# Altium PCB unextended_ISO.PcbDoc (part 1 of 2) (continued)
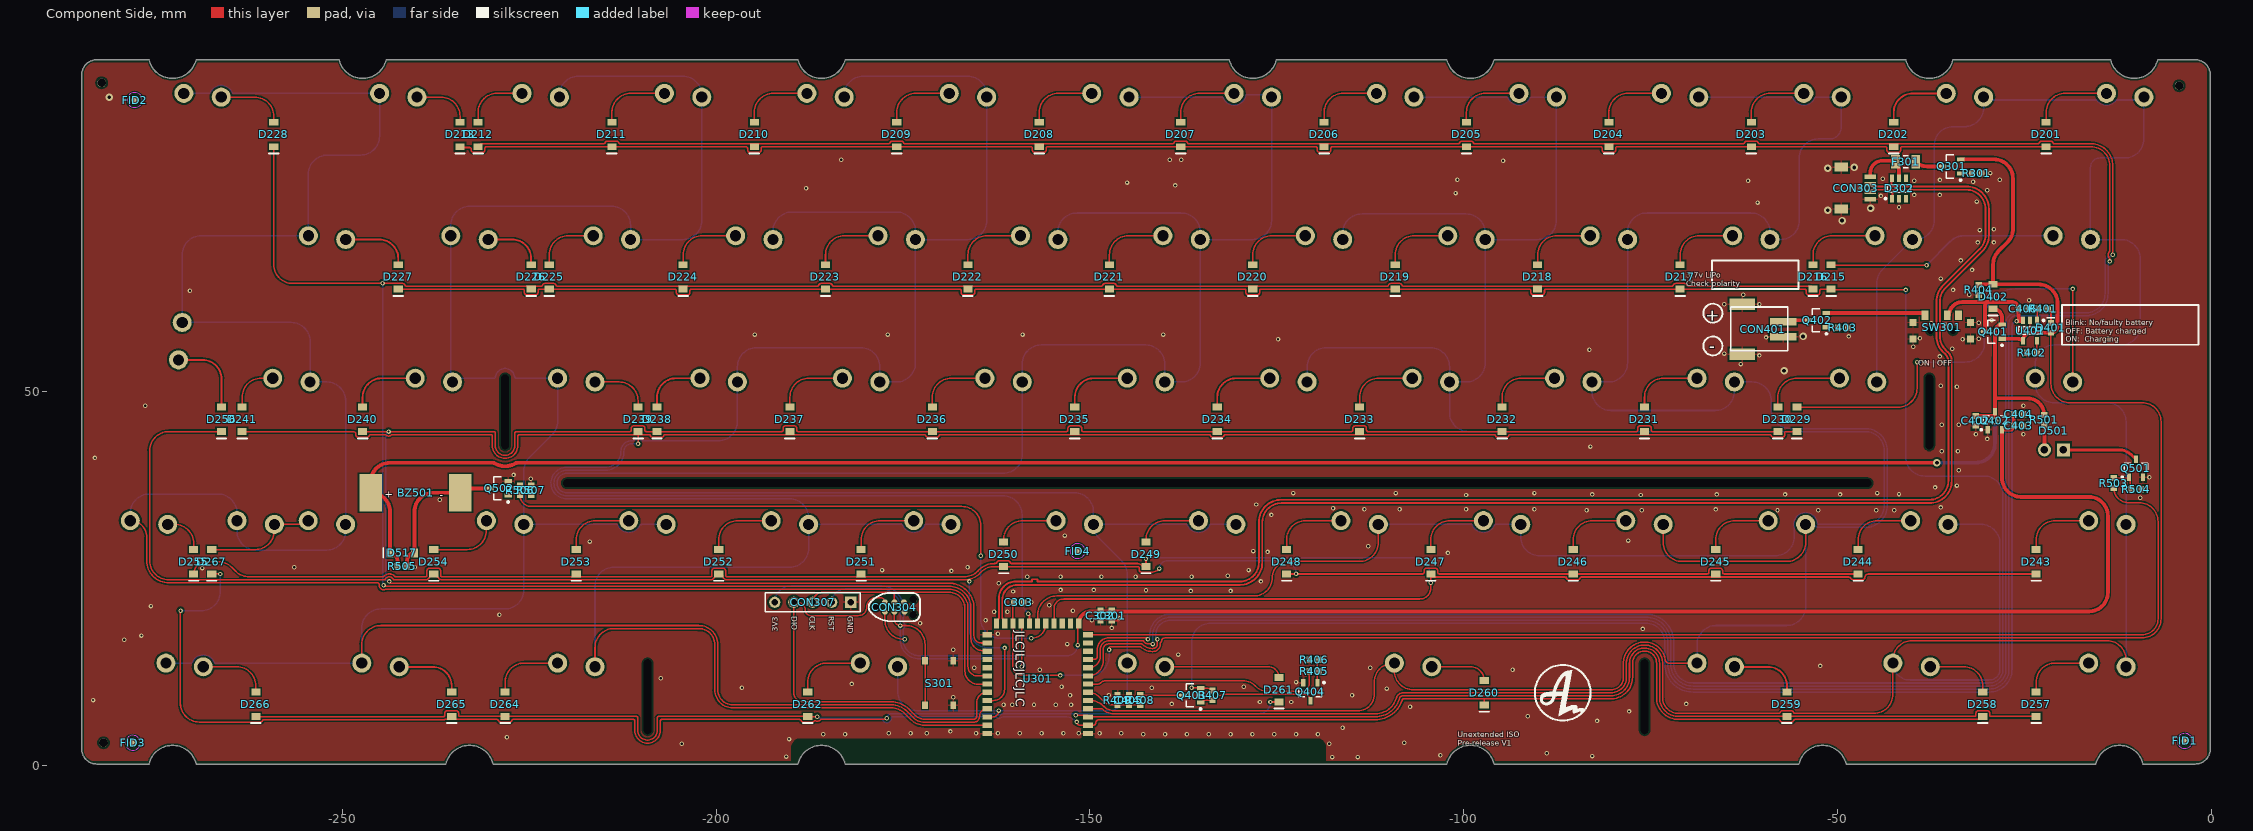
[diagram p0: Component Side view]
## Footprints (in the part's own frame and the unit in brackets; to place one, negate y for a bottom-side part, rotate by r counter-clockwise, add the part's x,y. Pads: shape width x height; smd on the part's side, far side on the other; paste and mask are expansions set on the pad) (continued)
  silkscreen extent -3.43,-1.91 3.43,1.9
"XKB SWITCH" [mm] "XKB Enterprise TS-1187A-C-D-B"
  rect 1x0.75 smd: 1(-3,1.875) 1(3,1.875) 2(-3,-1.875) 2(3,-1.875)
  body extent -3.25,-2.55 3.25,2.55, height 2

## Part data
BZ501: library part Speaker, "Loudspeaker", LCSC MFG=Fengming, LCSC Part #=C409829, MRF.Part=YS-SBZ1230
C301 C402 C404 C406: library part Cap, "Capacitor", LCSC MFG="Samsung Electro-Mechanics", LCSC Part #=C19666, MRF.Part=CL10A475KO8NNNC
C302 C303: library part Cap, "Capacitor", LCSC MFG=YAGEO, LCSC Part #=C14663, MFG=KEMET, MFGPN=C0603C104M5RACTU, MRF.Part=CC0603KRX7R9BB104, Version="0603 imperial"
C403: library part Cap, "Capacitor", LCSC MFG="Samsung Electro-Mechanics", LCSC Part #=C15849, MFG=KEMET, MFGPN=C0603C104M5RACTU, MRF.Part=CL10A105KB8NNNC, Version="0603 imperial"
C405: library part Cap, "Capacitor", Version="0603 imperial"
CON303: "JST for USB daughter board", LCSC MFG="JST Sales America", LCSC Part #=C160404, MFG="JST Sales America Inc.", MFGPN=SM04B-SRSS-TB(LF)(SN), MRF.Part=SM04B-SRSS-TB(LF)(SN)
CON304: library part "Header 3X2", "Header, 3-Pin, Dual row"
CON307: "Header, 5-Pin"
CON401: library part "JST S2B-PH-SM4-TB", LCSC MFG="JST Sales America"
D201 D202 D203 D204 D205 D206 D207 D208 D209 D210 D211 D212 D213 D215 D216 D217 D218 D219 D220 D221 D222 D223 D224 D225 D226 D227 D228 D229 D230 D231 D232 D233 D234 D235 D236 D237 D238 D239 D240 D241 D243 D244 D245 D246 D247 D248 D249 D250 D251 D252 D253 D254 D255 D256 D257 D258 D259 D260 D261 D262 D264 D265 D266 D267: "Default Diode", LCSC MFG=ST(Semtech), LCSC Part #=C81598, MRF.Part=1N4148W, Version=SOD-123
D302: LCSC MFG="ProTek Devices", LCSC Part #=C85364, MRF.Part=SRV05-4-P-T7
D401: "Typical INFRARED GaAs LED", LCSC MFG="Everlight Elec", LCSC Part #=C72038, MRF.Part=19-213/Y2C-CQ2R2L/3T(CY)
D402: "Default Diode", LCSC MFG="Changjiang Electronics Tech (CJ)", LCSC Part #=C8598, MRF.Part=B5819W, Version=SOD-123
D501: library part Diode, "Default Diode"
D517: library part Diode, "Default Diode", LCSC MFG="Changjiang Electronics Tech (CJ)", LCSC Part #=C8598, MRF.Part=B5819W, Version=SOD-123
F301: "Thermal Fuse", LCSC MFG="Shenzhen JDT Fuse", LCSC Part #=C135338, MFG="Bel Fuse Inc.", MFGPN=0ZCJ0050FF2G, MRF.Part=ASMD1206-050
Q301 Q401 Q402: "P-Channel Power MOSFET", LCSC MFG="Vishay Intertech", LCSC Part #=C10487, MRF.Part=SI2301CDS-T1-GE3
  Q301 Q402: Version=SOT23-3
  Q401: Note="Pin 4 not drawn and electrically connected to Pin 2."
Q403: library part PMOS-2, "P-Channel Power MOSFET", LCSC MFG="Vishay Intertech", LCSC Part #=C10487, MRF.Part=SI2301CDS-T1-GE3, Note="Pin 4 not drawn and electrically connected to Pin 2."
Q404 Q501 Q502: library part MOSFET-N, "N-Channel MOSFET", LCSC MFG="Changjiang Electronics Tech (CJ)", LCSC Part #=C8545, MRF.Part=2N7002
R301 R403 R504: "Resistor", LCSC MFG="Uniroyal Elec", LCSC Part #=C25804, MFG="Panasonic Electronic Components", MFGPN=ERJ-3EKF5101V, MRF.Part=0603WAF1002T5E, Version="0603 imperial"
R401 R501 R503: "Resistor", LCSC MFG="UNI-ROYAL(Uniroyal Elec)", LCSC Part #=C23179, MFG="Panasonic Electronic Components", MFGPN=ERJ-3EKF5101V, MRF.Part=0603WAF4700T5E, Version="0603 imperial"
R402: "Resistor", LCSC MFG="Uniroyal Elec", LCSC Part #=C23186, MFG="Panasonic Electronic Components", MFGPN=ERJ-3EKF5101V, MRF.Part=0603WAF5101T5E, Version="0603 imperial"
R404 R406 R407 R507: "Resistor", LCSC MFG="Uniroyal Elec", LCSC Part #=C25803, MRF.Part=0603WAF1003T5E, Version="0603 imperial"
R405 R506: "Resistor", LCSC MFG="Uniroyal Elec", LCSC Part #=C23138, MRF.Part=0603WAF3300T5E, Version="0603 imperial"
R408: "Resistor", LCSC MFG="Uniroyal Elec", LCSC Part #=C22935, MRF.Part=0603WAF1004T5E, Version="0603 imperial"
R409: "Resistor", LCSC MFG="Uniroyal Elec", LCSC Part #=C22976, MRF.Part=0603WAF2004T5E, Version="0603 imperial"
R505: "Resistor", LCSC MFG="Uniroyal Elec", LCSC Part #=C23228, MRF.Part=0603WAF6800T5E, Version="0603 imperial"
S201 S202 S203 S204 S205 S206 S207 S208 S209 S210 S211 S212 S213 S216 S217 S218 S219 S220 S221 S222 S223 S224 S225 S226 S227 S228 S229 S230 S231 S232 S233 S234 S235 S236 S237 S238 S239 S240 S241 S243 S244 S245 S246 S247 S248 S249 S250 S251 S252 S253 S254 S255 S256 S257 S258 S259 S260 S261 S262 S264 S265 S266 S267: library part SW-PB, "Switch"
S215: library part SW-PB, "TAB"
S301: "Switch", LCSC MFG="XKB Enterprise", LCSC Part #=C318888, MFG=C&K, MFGPN="PTS645SM43SMTR92 LFS", MRF.Part=TS-1187A-C-D-B
SW301: LCSC MFG="Korean Hroparts Elec", LCSC Part #=C136659, MFGPN=K3-1296S-E2
U401: library part MCP73831, LCSC MFG="Nanjing Extension Microelectronics", LCSC Part #=C32574, MRF.Part=TP4054
U402: library part "SOT23 LDO", LCSC MFG="Torex Semicon", LCSC Part #=C5446, MFG="Texas Instruments", MFGPN=TPS7A0533PDBZ, MRF.Part=XC6206P332MR
U301: MFG=HolyIOT, MFGPN=18010

## Free pads (board coordinates)
  round 1.152 hole 1.152 unplated paste+0.148 mask+0.148: ""(-282.194,91.313) ""(-281.94,3.048) ""(-4.318,90.932)
  round 0 hole 1 slot 10 at 90 deg unplated: ""(-228.225,47.315) ""(-209.169,9.215) ""(-75.819,9.215) ""(-37.725,47.315)
  round 0 hole 1 slot 175 at 0 deg unplated: ""(-132.975,37.79)

## Via types
v1: diameter 0.6, hole 0.3, Component Side to Bottom Layer, tented both sides, 259 vias
v2: diameter 1, hole 0.5, Component Side to Bottom Layer, tented both sides, 10 vias

## Nets (pads, with @x,y where several pads share a name; then routed paths per layer and width w, separated by ;. In a path a pad name is that pad's centre, name@x,y a point inside that pad or via, vN(x,y) a via of type N, cw(c..) or ccw(c..) an arc to the next point about the centre after c; other vN are vias at no path point)
BUZZ: R506.2 U301.18 | length 87.8
  Component Side w0.203: R506.2@-226.226,36.18 ccw(c-224.711,36.18) -224.711,34.665 -167.132,34.665 cw(c-167.132,32.125) -164.592,32.125 v1(-164.592,28.067) ; v1@-157.861,17.018 ccw(c-157.861,18.979) -155.9,18.979 U301.18@-155.9,19
  Bottom Layer w0.203: v1(-164.592,28.067) -164.592,19.577 ccw(c-162.052,19.577) -162.457,17.07 cw(c-162.488,16.869) -162.442,17.067 ccw(c-162.306,17.653) -162.327,17.052 cw(c-162.334,16.849) -162.314,17.051 ccw(c-162.052,19.577) -162.052,17.037 v1(-157.858,17.037)
col1: S201.2 S202.2 S215.2 S216.2 S229.2 S230.2 S243.2 S244.2 S257.2 S258.2 U301.4 | length 381.6
  Component Side w0.203: U301.4@-150.25,7.6 -148.378,7.6 -148.367,7.589 ccw(c-146.802,9.154) -146.802,6.941 -111.82,6.941 ccw(c-111.82,9.884) -110.663,7.177 ccw(c-111.82,9.884) -109.623,7.925 ccw(c-111.82,9.884) -109.028,8.953 ccw(c-111.82,9.884) -108.967,9.159 cw(c-108.379,9.012) -108.966,9.163 cw(c-108.379,9.012) -108.859,9.383 cw(c-108.134,8.825) -108.134,9.74 -80.305,9.74 ccw(c-80.305,11.811) -79.845,9.791 ccw(c-80.305,11.811) -78.547,10.715 ccw(c-80.305,11.811) -78.233,11.811 -78.233,12.985 -78.233,13.964 cw(c-78.03,13.964) -78.226,14.02 ccw(c-79.634,14.431) -78.192,14.162 cw(c-75.819,13.715) -78.066,14.598 cw(c-75.819,13.715) -73.558,14.561 ; -73.558,14.561 cw(c-73.935,14.419) -73.539,14.496 ccw(c-73.34,14.535) -73.533,14.471 cw(c-73.724,14.401) -73.53,14.461 -73.528,14.458 ccw(c-73.143,14.577) -73.528,14.455 ccw(c-73.143,14.577) -73.526,14.451 cw(c-75.819,13.715) -73.431,14.025 ; -73.399,13.898 -73.399,8.905 ccw(c-73.196,8.906) -73.398,8.885 ccw(c-71.274,9.12) -72.855,7.682 ccw(c-72.706,7.82) -72.829,7.659 -72.758,7.604 cw(c-72.881,7.443) -72.737,7.586 -72.588,7.437 ccw(c-72.444,7.58) -72.568,7.42 ccw(c-71.274,9.12) -72.479,7.355 ccw(c-71.274,9.12) -71.274,6.983 -57.865,6.983 ccw(c-57.866,7.186) -57.672,7.125 cw(c-57.384,7.035) -57.384,7.337 -56.164,7.337 cw(c-56.164,7.035) -55.876,7.124 ccw(c-55.682,7.186) -55.683,6.983 -45.14,6.983 ccw(c-45.14,9.523) -42.6,9.523 S258.2@-42.6,13.715 -42.6,14.154 cw(c-40.06,14.154) -40.06,16.694 -13.952,16.694 cw(c-13.952,14.154) -11.412,14.154 S257.2@-11.412,13.215
  Bottom Layer w0.203: S230.2@-44.75,51.315 -44.75,64.55 cw(c-42.21,64.55) -44.006,66.346 S216.2@-39.987,70.365 -39.624,70.365 ccw(c-39.624,72.905) -37.084,72.905 -37.084,82.931 cw(c-34.544,82.931) -34.544,85.471 -33.002,85.471 ccw(c-33.002,88.011) -30.462,88.011 S202.2@-30.462,89.415 -30.133,89.086 ccw(c-29.99,89.23) -29.99,89.027 -15.43,89.027 cw(c-15.431,88.824) -15.271,88.949 ccw(c-14.031,89.915) -12.791,88.95 cw(c-12.631,88.824) -12.632,89.027 -9.419,89.027 ccw(c-9.419,89.415) S201.2@-9.031,89.415 -9.031,83.82 cw(c-11.571,83.82) -11.571,81.28 -14.859,81.28 ccw(c-14.859,79.964) -16.175,79.964 S215.2@-16.175,70.365 -12.065,70.365 cw(c-12.065,67.825) -9.525,67.825 -9.525,58.801 cw(c-12.065,58.801) -12.065,56.261 -21.016,56.261 ccw(c-21.016,53.721) -23.556,53.721 S229.2@-23.556,51.815 -23.556,51.082 ccw(c-21.016,51.082) -21.016,48.542 -13.952,48.542 cw(c-13.952,46.002) -11.412,46.002 S243.2@-11.412,32.265 S257.2@-11.412,13.215 ; S258.2@-42.6,13.39 S258.2@-42.6,13.715 ccw(c-40.337,13.715) -40.337,11.452 -29.704,11.452 ccw(c-29.704,12.873) -28.7,11.867 ccw(c-29.704,12.873) -28.283,12.873 -28.283,29.725 ccw(c-30.823,29.725) -30.823,32.265 S244.2@-35.225,32.265
col2: S203.2 S204.2 S217.2 S218.2 S231.2 S232.2 S245.2 S246.2 S259.2 S260.2 U301.5 | length 315.4
  Component Side w0.203: U301.5@-150.25,8.7 -149.96,8.7 cw(c-149.96,6.16) -148.164,7.956 -148.082,7.874 ccw(c-146.802,9.154) -146.802,7.344 -114.134,7.344 ccw(c-114.134,9.521) -111.957,9.521 -111.957,11.175 cw(c-109.417,11.175) -109.417,13.715 S260.2@-109.28,13.715 -109.28,12.683 ccw(c-106.74,12.683) -106.74,10.143 -80.305,10.143 ccw(c-80.305,11.811) -79.712,10.252 ccw(c-80.305,11.811) -78.889,10.928 ccw(c-80.305,11.811) -78.637,11.811 -78.637,12.254 -78.637,13.964 cw(c-78.03,13.964) -78.613,14.132 ccw(c-79.634,14.431) -78.588,14.237 cw(c-75.819,13.715) -78.426,14.783 ; -78.441,14.746 cw(c-75.819,13.715) -78.057,15.427 cw(c-75.819,13.715) -76.114,16.517 ; -76.114,16.517 cw(c-75.819,13.715) -73.897,15.775 cw(c-75.819,13.715) -73.181,14.705 -73.18,14.704 ; S246.2@-73.325,32.265 -73.325,29.845 ccw(c-70.785,29.845) -70.785,27.305 -56.815,27.305 ccw(c-56.815,29.845) -54.275,29.845 S245.2@-54.275,32.265 ; -73.181,14.704 cw(c-73.935,14.419) -73.148,14.595 ccw(c-72.95,14.639) -73.143,14.577 cw(c-75.819,13.715) -73.052,14.209 cw(c-75.819,13.715) -73.032,14.082 ccw(c-72.83,14.109) -73.022,14.04 ccw(c-72.557,14.209) -72.557,13.715 S259.2@-68.799,13.715
  Bottom Layer w0.203: S259.2@-68.799,13.715 -68.799,16.2 cw(c-66.259,16.2) -66.259,18.74 -56.815,18.74 ccw(c-56.815,21.28) -54.275,21.28 S245.2@-54.275,32.265 -53.214,32.265 cw(c-53.215,32.062) -53.038,32.163 ccw(c-52.511,32.461) -52.512,31.855 -46.287,31.855 ccw(c-46.287,34.798) -43.343,34.798 -43.343,42.14 ccw(c-46.287,42.14) -43.681,43.509 ccw(c-46.287,42.14) -45.039,44.806 ccw(c-46.287,42.14) -45.272,44.903 ccw(c-46.287,42.14) -46.287,45.083 -56.336,45.083 cw(c-56.336,47.623) -58.876,47.623 -58.876,48.775 ccw(c-61.416,48.775) -61.416,51.315 S231.2@-63.8,51.315 -63.8,50.038 cw(c-66.34,50.038) -66.34,47.498 -80.31,47.498 cw(c-80.31,50.038) -82.85,50.038 S232.2@-82.85,51.315 -80.627,51.315 ccw(c-80.627,53.855) -78.087,53.855 S218.2@-78.087,70.365 -78.087,71.374 cw(c-75.547,71.374) -75.547,73.914 -61.577,73.914 cw(c-61.577,71.374) -59.037,71.374 S217.2@-59.037,70.365 -57.658,70.365 ccw(c-57.658,72.905) -55.118,72.905 -55.118,81.28 cw(c-52.578,81.28) -52.578,83.82 -51.054,83.82 ccw(c-51.054,85.362) -49.512,85.362 S203.2@-49.512,89.415 -52.883,89.415 ccw(c-52.882,89.212) -53.069,89.293 cw(c-54.512,89.915) -55.955,89.293 ccw(c-56.142,89.212) -56.141,89.415 S204.2@-68.562,89.415
col3: S205.2 S206.2 S219.2 S220.2 S233.2 S234.2 S247.2 S248.2 U301.19 | length 327.3
  Component Side w0.203: U301.19@-157,19 -157,20.149 cw(c-154.46,20.149) -154.46,22.689 -128.06,22.689 ccw(c-128.06,25.146) -125.603,25.146 cw(c-123.444,25.146) -123.444,27.305 -113.965,27.305 ccw(c-113.965,29.845) -111.425,29.845 S248.2@-111.425,32.265
  Bottom Layer w0.203: S234.2@-120.95,51.315 -120.95,53.34 cw(c-118.41,53.34) -118.41,55.88 -104.44,55.88 cw(c-104.44,53.34) -101.9,53.34 S233.2@-101.9,51.315 ; S220.2@-116.187,70.365 -116.187,71.247 cw(c-113.647,71.247) -113.647,73.787 -99.677,73.787 cw(c-99.677,71.247) -97.137,71.247 S219.2@-97.137,70.365 ; S248.2@-111.425,32.265 -99.003,32.265 cw(c-99.004,32.062) -98.818,32.143 ccw(c-97.375,32.765) -95.931,32.143 cw(c-95.745,32.062) -95.746,32.265 S247.2@-92.375,32.265 -92.375,30.607 ccw(c-89.835,30.607) -89.835,28.067 -58.347,28.067 ccw(c-58.347,30.607) -55.807,30.607 -55.807,31.917 cw(c-54.275,32.265) -55.161,33.563 ; S206.2@-106.662,89.415 -94.241,89.415 cw(c-94.242,89.212) -94.055,89.293 ccw(c-92.612,89.915) -91.169,89.293 cw(c-90.982,89.212) -90.983,89.415 S205.2@-87.612,89.415 -87.612,72.905 cw(c-90.152,72.905) -90.152,70.365 S219.2@-97.137,70.365 ; -53.145,33.358 cw(c-54.275,32.265) -52.712,32.438 ccw(c-52.511,32.461) -52.512,32.258 -46.287,32.258 ccw(c-46.287,34.798) -43.747,34.798 -43.747,42.14 ccw(c-46.287,42.14) -46.287,44.68 -99.36,44.68 cw(c-99.36,47.22) -101.9,47.22 S233.2@-101.9,51.315 ; -52.742,32.614 ccw(c-54.275,32.265) -53.746,33.745 ; S233.2@-101.9,51.315 -99.677,51.315 ccw(c-99.677,53.855) -97.137,53.855 S219.2@-97.137,70.365 ; -55.161,33.563 cw(c-54.275,32.265) -53.746,33.745 ; -55.161,33.563 cw(c-54.275,32.265) -53.747,33.745
col4: S207.2 S208.2 S221.2 S222.2 S235.2 S236.2 S249.2 S250.2 S261.1 S262.2 U301.35 | length 353.9
  Component Side w0.203: U301.35@-163.75,6.5 -163.045,6.5 ccw(c-163.045,7.366) v1(-162.179,7.366)
  Bottom Layer w0.203: S262.2@-175.718,13.215 -175.718,9.906 ccw(c-173.178,9.906) -173.178,7.366 v1(-162.179,7.366) -147.539,7.366 ccw(c-147.539,9.906) -144.999,9.906 S261.1@-144.999,13.715 -144.999,25.583 ccw(c-147.539,25.583) -145.743,27.379 -148.781,30.417 cw(c-146.985,32.213) -149.525,32.213 S250.2@-149.525,32.265 ; S222.2@-154.287,70.365 -154.287,71.374 cw(c-151.747,71.374) -151.747,73.914 -137.777,73.914 cw(c-137.777,71.374) -135.237,71.374 S221.2@-135.237,70.365 ; S208.2@-144.762,89.415 -132.341,89.415 cw(c-132.342,89.212) -132.155,89.293 ccw(c-130.712,89.915) -129.173,89.598 cw(c-128.974,89.555) -128.975,89.759 -126.14,89.759 cw(c-126.14,89.555) -125.996,89.699 S207.2@-125.712,89.415 -125.712,72.905 cw(c-128.252,72.905) -128.252,70.365 S221.2@-135.237,70.365 ; S249.2@-130.475,32.265 -133.846,32.265 ccw(c-133.845,32.062) -134.031,32.143 cw(c-135.475,32.765) -136.918,32.143 ccw(c-137.104,32.062) -137.103,32.265 S250.2@-149.525,32.265 ; S250.2@-149.525,32.265 -149.525,33.944 ccw(c-152.065,33.944) -152.065,36.484 -219.975,36.484 cw(c-219.975,37.79) -219.975,39.096 -161.59,39.096 ccw(c-161.59,41.636) -159.05,41.636 S236.2@-159.05,51.315 -159.05,53.721 cw(c-156.51,53.721) -156.51,56.261 -142.54,56.261 cw(c-142.54,53.721) -140,53.721 S235.2@-140,51.315 -137.777,51.315 ccw(c-137.777,53.855) -135.237,53.855 S221.2@-135.237,70.365
col5: S209.2 S210.2 S223.2 S224.2 S237.2 S238.2 S251.2 S252.2 S264.1 U301.36 | length 327.3
  Component Side w0.203: S264.1@-216.199,13.215 -216.199,15.797 cw(c-213.659,15.797) -213.659,18.337 -202.479,18.337 cw(c-202.479,18.134) -202.404,18.323 -202.326,18.292 ccw(c-202.251,18.48) -202.252,18.277 -201.834,18.277 cw(c-201.835,18.074) -201.787,18.272 cw(c-202.311,16.2) -200.749,17.658 cw(c-202.311,16.2) -200.174,16.2 -200.174,10.14 ccw(c-197.759,10.14) -197.759,7.725 -176.566,7.725 cw(c-176.566,5.185) -174.77,6.981 -173.933,6.144 ccw(c-172.137,7.94) -172.137,5.4 U301.36@-163.75,5.4
  Bottom Layer w0.203: S264.1@-216.199,13.215 -216.199,24.003 cw(c-213.659,24.003) -213.659,26.543 -190.164,26.543 ccw(c-190.164,29.083) -187.624,29.083 S252.2@-187.624,32.265 ; -212.742,41.765 ccw(c-214.884,42.037) -212.725,42.037 cw(c-211.31,42.041) -212.725,42.042 ; -210.95,43.456 -211.31,43.456 ccw(c-211.31,42.041) -212.725,42.045 ccw(c-211.31,42.041) -212.725,42.042 ; -210.836,43.505 cw(c-210.439,43.053) -210.043,43.506 ccw(c-209.91,43.659) -209.911,43.456 -199.69,43.456 ccw(c-199.69,45.996) -197.15,45.996 S238.2@-197.15,51.315 -197.15,53.34 cw(c-194.61,53.34) -194.61,55.88 -180.64,55.88 cw(c-180.64,53.34) -178.1,53.34 S237.2@-178.1,51.315 -175.877,51.315 ccw(c-175.877,53.855) -173.337,53.855 S223.2@-173.337,70.365 ; S224.2@-192.387,70.365 -192.387,71.501 cw(c-189.847,71.501) -189.847,74.041 -175.877,74.041 cw(c-175.877,71.501) -173.337,71.501 S223.2@-173.337,70.365 ; S210.2@-182.862,89.415 -182.862,89.662 cw(c-180.322,89.662) -180.322,92.202 -166.352,92.202 cw(c-166.352,89.662) -163.812,89.662 S209.2@-163.812,89.415 -163.812,72.905 cw(c-166.352,72.905) -166.352,70.365 S223.2@-173.337,70.365 ; S251.2@-168.575,32.265 -171.946,32.265 ccw(c-171.945,32.062) -172.131,32.143 cw(c-173.575,32.765) -175.018,32.143 ccw(c-175.204,32.062) -175.203,32.265 S252.2@-187.624,32.265 ; -212.725,42.042 cw(c-214.884,42.037) -212.725,42.037 cw(c-214.884,42.037) -214.543,39.905 cw(c-214.574,40.106) -214.573,39.903 -219.975,39.903 ccw(c-219.975,37.79) -221.827,38.807 ccw(c-219.975,37.79) -221.292,36.138 ccw(c-219.975,37.79) -219.975,35.677 -190.164,35.677 cw(c-190.164,33.137) -187.624,33.137 S252.2@-187.624,32.265
col6: S211.2 S212.2 S225.2 S226.2 S239.2 S240.2 S253.2 S254.2 S265.2 S266.2 U301.34 | length 319.9
  Component Side w0.203: S265.2@-247.388,13.715 -247.388,16.2 cw(c-244.848,16.2) -244.848,18.74 -202.311,18.74 cw(c-202.311,16.2) -199.771,16.2 -199.771,10.14 ccw(c-197.759,10.14) -197.759,8.128 -176.566,8.128 cw(c-176.566,5.185) -174.485,7.267 -173.676,6.458 ccw(c-171.882,8.255) -173.284,6.137 ccw(c-172.137,7.94) -172.137,5.803 -165.519,5.803 ccw(c-165.519,6.56) -164.763,6.56 -164.763,6.587 cw(c-163.75,6.587) U301.34@-163.75,7.6
  Bottom Layer w0.203: S266.2@-273.587,13.715 -270.216,13.715 ccw(c-270.217,13.918) -270.03,13.837 cw(c-268.587,13.215) -267.144,13.837 ccw(c-266.957,13.918) -266.958,13.715 S265.2@-247.388,13.715 -247.388,18.415 cw(c-244.848,18.415) -244.848,20.955 -228.265,20.955 ccw(c-228.265,23.495) -225.725,23.495 S254.2@-225.725,32.265 ; S212.2@-220.962,89.415 -220.962,89.662 cw(c-218.422,89.662) -218.422,92.202 -204.452,92.202 cw(c-204.452,89.662) -201.912,89.662 S211.2@-201.912,89.415 -201.912,72.905 cw(c-204.452,72.905) -204.452,70.365 S225.2@-211.437,70.365 -211.437,72.263 ccw(c-213.977,72.263) -213.977,74.803 -232.947,74.803 ccw(c-232.947,72.263) -235.487,72.263 S226.2@-235.487,70.865 -235.487,51.553 ccw(c-235.25,51.553) S240.2@-235.25,51.315 cw(c-234.75,51.315) -234.75,51.815 -229.72,51.815 ccw(c-229.721,52.018) -229.519,51.991 cw(c-228.225,51.815) -226.93,51.99 ccw(c-226.729,52.018) -226.73,51.815 S239.2@-221.2,51.815 -221.2,46.044 cw(c-223.74,46.044) -221.944,44.248 -224.981,41.211 ccw(c-223.185,39.415) -225.725,39.415 S254.2@-225.725,32.265 ; -210.017,32.206 cw(c-209.873,32.062) -209.873,32.265 ; S253.2@-206.675,32.265 -209.873,32.265 ; S254.2@-225.725,32.265 -213.303,32.265 cw(c-213.304,32.062) -213.118,32.143 ccw(c-211.675,32.765) -213.095,32.093 ccw(c-211.675,32.765) -210.491,31.732 ccw(c-211.675,32.765) -210.231,32.143 cw(c-210.045,32.062) -210.046,32.265 -209.873,32.265
col7: S213.2 S227.2 S228.1 S241.2 S255.2 S256.2 S267.1 U301.30 | length 298.4
  Component Side w0.203: S255.2@-278.35,32.765 cw(c-278.35,30.562) -276.147,30.562 -276.147,27.388 ccw(c-273.204,27.388) -273.204,24.445 -245.271,24.445 cw(c-245.272,24.242) -245.071,24.214 ccw(c-244.475,24.13) -244.724,23.582 ; -244.805,23.6 cw(c-244.806,23.397) -244.724,23.582 ; U301.30@-163.75,12 -165.032,12 cw(c-165.032,13.282) -166.314,13.282 -166.314,21.06 ccw(c-168.854,21.06) -168.854,23.6 -174.625,23.6 -243.551,23.6 ccw(c-243.553,23.397) -243.553,23.6 -244.145,23.6 ; -244.724,23.582 ccw(c-244.475,24.13) -244.226,23.582 cw(c-244.144,23.397) -244.145,23.6 ; -244.723,23.582 ccw(c-244.475,24.13) -244.226,23.582 cw(c-244.144,23.397) -244.145,23.6
  Bottom Layer w0.203: S255.2@-278.35,32.765 -278.35,33.782 cw(c-275.81,33.782) -275.81,36.322 -266.62,36.322 cw(c-266.62,33.782) -264.08,33.782 S267.1@-264.08,32.765 -264.08,31.369 ccw(c-261.54,31.369) -261.54,28.829 -252.095,28.829 ccw(c-252.095,31.369) -249.555,31.369 S267.1@-249.555,32.265 -249.555,48.775 ccw(c-252.095,48.775) -252.095,51.315 S241.2@-254.3,51.315 -254.3,56.732 ccw(c-256.84,56.732) -256.84,59.272 S256.2@-271.41,59.272 -271.41,68.325 cw(c-268.87,68.325) -268.87,70.865 S227.2@-254.537,70.865 -254.537,79.121 cw(c-251.997,79.121) -251.997,81.661 -247.552,81.661 ccw(c-247.552,84.201) -245.012,84.201 S213.2@-245.012,89.915 -264.563,89.915 cw(c-264.562,90.118) -264.749,90.037 ccw(c-266.192,89.415) -267.635,90.037 cw(c-267.822,90.118) -267.821,89.915 S228.1@-271.192,89.915
D_N: CON303.2 D302.6 U301.23 | length 199.9
  Component Side w0.254: U301.23@-161.4,19 -161.4,19.073 ccw(c-161.949,19.073) -161.561,19.461 cw(c-161.173,19.849) -161.721,19.849 -161.721,22.175 cw(c-159.715,22.175) -159.715,24.181 -129.942,24.181 ccw(c-129.942,27.178) -126.945,27.178 -126.945,32.563 cw(c-124.405,32.563) -124.405,35.103 -37.719,35.103 ccw(c-37.719,38.1) -34.722,38.1 -34.722,54.075 ccw(c-36.47,54.075) -35.234,55.312 -35.578,55.656 cw(c-33.782,57.452) -36.322,57.452 -36.322,62.067 cw(c-33.782,62.067) -35.578,63.863 -30.646,68.795 ccw(c-32.763,70.912) -29.769,70.912 -29.769,74.481 ccw(c-32.766,74.481) -32.766,77.479 -42.799,77.479 ; CON303.2@-45.625,77.75 ccw(c-45.354,77.75) -45.354,77.479 -42.799,77.479 ; D302.6@-42.733,78.591 ccw(c-42.733,78.525) -42.799,78.525 -42.799,77.479
D_P: CON303.3 D302.1 U301.24 | length 199.9
  Component Side w0.254: U301.24@-162.5,19 -162.5,19.073 cw(c-161.951,19.073) -162.339,19.461 ccw(c-162.727,19.849) -162.179,19.849 -162.179,22.364 cw(c-159.905,22.364) -159.905,24.638 -157.886,24.638 -157.759,24.638 -157.759,24.924 -156.997,24.924 -156.997,24.638 -155.956,24.638 -155.621,24.638 -129.942,24.638 ccw(c-129.942,27.178) -127.402,27.178 -127.402,32.563 cw(c-124.405,32.563) -124.405,35.56 -37.719,35.56 ccw(c-37.719,38.1) -35.179,38.1 -35.179,54.071 ccw(c-36.48,54.071) -35.56,54.991 -35.902,55.333 cw(c-33.785,57.45) -36.779,57.45 -36.779,62.067 ; CON303.3@-45.625,76.75 cw(c-45.354,76.75) -45.354,77.021 -42.672,77.021 ; D302.1@-42.733,75.841 ccw(c-42.733,75.902) -42.672,75.902 -42.672,77.021 ; -36.779,62.068 cw(c-33.785,62.068) -35.902,64.185 -30.97,69.118 ccw(c-32.766,70.914) -30.226,70.914 -30.226,74.481 ccw(c-32.766,74.481) -32.766,77.021 -42.672,77.021
GND: C301.1 C302.1 C303.1 C402.1 C403.1 C404.1 C405.1 C406.1 CON303.4 CON303.5 CON304.5 CON307.1 CON401.2 CON401.3 D302.2 Q404.2 Q501.2 Q502.2 R301.2 R402.2 R403.2 R404.2 R406.2 R409.2 R504.2 R507.2 S301.1 SW301.M U301.1 U301.25 U301.37 U401.2 U402.1 | length 1.2
  Component Side w0.305: C301.1@-147.066,19.416 -146.319,19.416 ccw(c-146.319,19.685) v1(-146.05,19.685)
  other v1: -117.602,1.143 -114.173,1.143 -190.613,1.206 -82.804,1.27 -103.124,1.397 -88.9,1.651 -204.597,2.921 -117.983,2.921 -107.95,3.048 -190.246,3.556 -227.971,3.809 -185.674,4.191 -182.753,4.191 -142.875,4.191 -139.954,4.191 -137.033,4.191 -134.112,4.191 -131.191,4.191 -128.27,4.191 -125.349,4.191 -122.428,4.191 -119.507,4.191 -171.831,4.318 -151.511,4.318 -148.717,4.318 -145.796,4.318 -176.911,4.333 -173.99,4.333 -165.227,4.333 -162.306,4.333 -159.385,4.333 -156.464,4.333 -153.543,4.333 -168.656,4.572 -116.205,5.08 -82.169,5.969 -91.44,6.604 -77.886,7.251 -107.188,7.874 -161.544,8.128 -152.527,8.128 -160.401,8.143 -157.48,8.143 -154.559,8.143 -139.065,8.255 -70.231,8.255 -127.254,8.509 -123.063,8.509 -283.337,8.763 -168.275,9.144 -152.654,9.398 -114.935,9.398 -147.461,9.428 -110.299,10.309 -141.732,10.414 -196.545,10.418 -153.797,10.541 -129.413,10.541 -181.864,10.922 -122.428,11.176 -207.391,11.684 -156.718,12.827 -93.472,12.827 -165.481,13.081 -112.522,13.081 -52.324,13.335 -138.176,14.859 -168.275,15.494 -153.035,16.256 -279.154,16.828 -276.86,17.399 -162.306,17.653 -76.073,18.288 -147.066,18.415 -172.72,19.05 -163.957,19.431 -149.733,19.431 -228.981,20.193 -162.814,20.574 -161.036,20.574 -152.273,20.701 -275.59,21.336 -155.448,21.463 -157.861,21.844 -160.274,23.289 -136.525,23.368 -131.191,23.368 -142.5,23.456 -153.924,23.495 -149.479,23.495 -162.179,24.384 -127.127,24.638 -158.369,25.273 -153.924,25.268 -148.463,25.268 -143.891,25.268 -136.398,25.268 -131.572,25.4 -168.529,26.035 -177.8,26.162 -128.778,26.162 -268.732,26.416 -256.413,26.543 -240.284,26.543 -166.37,26.543 -102.108,28.448 -126.238,28.575 -128.143,28.702 -112.776,29.337 -216.916,29.972 -77.983,30.108 -153.379,30.771 -125.73,33.528 -83.566,34.163 -76.195,34.154 -58.034,34.154 -52.578,34.163 -44.831,34.163 -42.418,34.163 -113.284,34.29 -108.585,34.29 -99.695,34.29 -90.551,34.29 -66.3,34.273 -117.475,34.417 -36.19,34.535 -127.762,34.925 -236.967,35.56 -9.525,35.814 -99.695,36.195 -76.327,36.195 -82.807,36.267 -66.17,36.267 -57.026,36.267 -49.66,36.267 -41.783,36.322 -122.809,36.449 -109.093,36.449 -90.551,36.449 -44.704,36.449 -36.957,37.211 -34.036,37.465 -224.79,38.354 -8.293,38.555 -227.095,38.884 -33.782,39.497 -283.083,41.148 -36.068,42.037 -33.909,42.037 -83.058,42.672 -29.972,43.688 -31.496,44.323 -25.146,44.323 -36.068,45.593 -33.782,45.593 -276.352,48.133 -25.146,48.133 -34.036,50.673 -36.195,50.8 -62.959,53.715 -36.322,54.737 -60.452,54.864 -65.151,55.118 -83.185,55.626 -34.671,55.753 -39.878,56.037 -124.841,57.023 -33.274,57.023 -31.13,57.081 -38.989,57.15 -59.563,57.277 -48.514,57.404 -194.818,57.658 -177.038,57.658 -159.004,57.658 -140.208,57.658 -25.395,58.293 -35.687,59.055 -37.465,59.182 -31.13,59.251 -29.405,59.589 -65.151,61.722 -60.452,61.722 -24.379,62.23 -62.611,62.992 -32.385,62.992 -270.383,63.5 -34.544,63.627 -36.195,65.151 -32.004,66.294 -33.528,67.564 -31.242,69.977 -29.083,69.977 -30.988,71.628 -29.083,71.755 -41.783,74.676 -60.706,75.311 -31.369,75.438 -44.196,76.2 -39.751,76.327 -36.322,76.327 -101.092,76.581 -29.972,76.962 -187.96,77.216 -46.99,77.216 -138.572,77.597 -145.034,77.978 -31.877,78.105 -61.976,78.232 -39.751,78.232 -100.838,78.359 -36.308,78.337 -28.321,78.359 -43.942,78.486 -29.591,79.248 -94.742,80.899 -183.261,81.026 -139.319,81.026 -137.795,81.026
  other v2: -57.15,52.832 -54.61,57.404 -49.403,72.898 -51.308,74.295 -45.593,74.549 -51.308,79.883 -47.752,80.01 -281.178,89.408
NetBZ501_2: BZ501.2 D517.1 Q502.3 R505.2 | length 19.8
  Component Side w0.508: R505.2@-241.328,26.67 -241.328,27.463 cw(c-240.343,27.463) D517.1@-240.343,28.448 -240.343,33.96 cw(c-237.803,33.96) -237.803,36.5 BZ501.2@-234.2,36.5 cw(c-233.616,36.5) -233.616,37.084 Q502.3@-230.22,37.084
NetCON401_1: CON401.1 Q402.3 | length 3.5
  Component Side w0.5: CON401.1@-57.26,59.365 -57.04,59.585 Q402.3@-53.887,59.585
NetD201_1: D201.1 S201.1 | length 10.8
  Component Side w0.203: D201.1@-22.098,86.05 -22.098,87.375 cw(c-19.558,87.375) -19.558,89.915 S201.1@-14.031,89.915
NetD202_1: D202.1 S202.1 | length 9.8
  Component Side w0.254: D202.1@-42.487,86.05 -42.487,87.375 cw(c-39.947,87.375) -39.947,89.915 S202.1@-35.462,89.915
NetD203_1: D203.1 S203.1 | length 9.8
  Component Side w0.203: D203.1@-61.537,86.05 -61.537,87.375 cw(c-58.997,87.375) -58.997,89.915 S203.1@-54.512,89.915
NetD204_1: D204.1 S204.1 | length 9.8
  Component Side w0.203: D204.1@-80.587,86.05 -80.587,87.375 cw(c-78.047,87.375) -78.047,89.915 S204.1@-73.562,89.915
NetD205_1: D205.1 S205.1 | length 9.3
  Component Side w0.203: -99.637,86.546 -99.637,87.375 cw(c-97.097,87.375) -97.097,89.915 S205.1@-92.612,89.915
NetD206_1: D206.1 S206.1 | length 9.8
  Component Side w0.203: D206.1@-118.681,86.05 -118.681,87.375 cw(c-116.141,87.375) -116.141,89.915 S206.1@-111.662,89.915
NetD207_1: D207.1 S207.1 | length 9.9
  Component Side w0.203: D207.1@-137.858,86.05 -137.858,87.375 cw(c-135.318,87.375) -135.318,89.915 S207.1@-130.712,89.915
NetD208_1: D208.1 S208.1 | length 9.8
  Component Side w0.203: D208.1@-156.781,86.05 -156.781,87.375 cw(c-154.241,87.375) -154.241,89.915 S208.1@-149.762,89.915
NetD209_1: D209.1 S209.1 | length 9.8
  Component Side w0.203: D209.1@-175.831,86.05 -175.831,87.375 cw(c-173.291,87.375) -173.291,89.915 S209.1@-168.812,89.915
NetD210_1: D210.1 S210.1 | length 9.8
  Component Side w0.203: D210.1@-194.887,86.05 -194.887,87.375 cw(c-192.347,87.375) -192.347,89.915 S210.1@-187.862,89.915
NetD211_1: D211.1 S211.1 | length 9.8
  Component Side w0.203: D211.1@-213.937,86.05 -213.937,87.375 cw(c-211.397,87.375) -211.397,89.915 S211.1@-206.912,89.915
NetD212_1: D212.1 S212.1 | length 8.7
  Component Side w0.203: D212.1@-231.838,86.05 -231.838,87.375 cw(c-229.298,87.375) -229.298,89.915 S212.1@-225.962,89.915
NetD213_1: D213.1 S213.1 | length 8
  Component Side w0.203: S213.1@-240.012,89.415 -236.791,89.415 cw(c-236.791,86.875) -234.251,86.875 D213.1@-234.251,86.05
NetD215_1: D215.1 S215.1 | length 31.2
  Component Side w0.254: D215.1@-50.869,67 -50.798,66.929 v1(-38.1,66.929)
  Bottom Layer w0.254: v1(-38.1,66.929) -34.908,70.121 cw(c-33.112,68.325) -33.112,70.865 S215.1@-21.175,70.865
NetD216_1: D216.1 S216.1 | length 11.1
  Component Side w0.203: D216.1@-53.282,67 -53.282,68.325 cw(c-50.742,68.325) -50.742,70.865 S216.1@-44.987,70.865
NetD217_1: D217.1 S217.1 | length 9.8
  Component Side w0.203: D217.1@-71.062,67 -71.062,68.325 cw(c-68.522,68.325) -68.522,70.865 S217.1@-64.037,70.865
NetD218_1: D218.1 S218.1 | length 9.8
  Component Side w0.203: D218.1@-90.112,67 -90.112,68.325 cw(c-87.572,68.325) -87.572,70.865 S218.1@-83.087,70.865
NetD219_1: D219.1 S219.1 | length 9.8
  Component Side w0.203: D219.1@-109.168,67 -109.168,68.325 cw(c-106.628,68.325) -106.628,70.865 S219.1@-102.137,70.865
NetD220_1: D220.1 S220.1 | length 9.8
  Component Side w0.203: D220.1@-128.218,67 -128.218,68.325 cw(c-125.678,68.325) -125.678,70.865 S220.1@-121.187,70.865
NetD221_1: D221.1 S221.1 | length 9.9
  Component Side w0.203: D221.1@-147.389,67 -147.389,68.325 cw(c-144.849,68.325) -144.849,70.865 S221.1@-140.237,70.865
NetD222_1: D222.1 S222.1 | length 9.8
  Component Side w0.203: D222.1@-166.318,67 -166.318,68.325 cw(c-163.778,68.325) -163.778,70.865 S222.1@-159.287,70.865
NetD223_1: D223.1 S223.1 | length 9.8
  Component Side w0.203: D223.1@-185.368,67 -185.368,68.325 cw(c-182.828,68.325) -182.828,70.865 S223.1@-178.337,70.865
NetD224_1: D224.1 S224.1 | length 9.8
  Component Side w0.203: D224.1@-204.412,67 -204.412,68.325 cw(c-201.872,68.325) -201.872,70.865 S224.1@-197.387,70.865
NetD225_1: D225.1 S225.1 | length 8.7
  Component Side w0.203: D225.1@-222.319,67 -222.319,68.325 cw(c-219.779,68.325) -219.779,70.865 S225.1@-216.437,70.865
NetD226_1: D226.1 S226.1 | length 8
  Component Side w0.254: S226.1@-230.487,70.365 -227.272,70.365 cw(c-227.272,67.825) -224.732,67.825 D226.1@-224.732,67
NetD227_1: D227.1 S227.1 | length 9.4
  Component Side w0.254: S227.1@-249.537,70.365 -245.052,70.365 cw(c-245.052,67.825) -242.512,67.825 D227.1@-242.512,66.948